# Altium PCB proyecto final.PcbDoc
Units mm, origin at the board's own origin, x right, y up, seen from the top; angles counter-clockwise.
Board outline 152.4 x 101.6 mm, 2 copper layers (Top Layer, Bottom Layer); 92 components, 65 nets, 338 pads, 18 vias.
Unrouted connection lines stored in the file: 78.
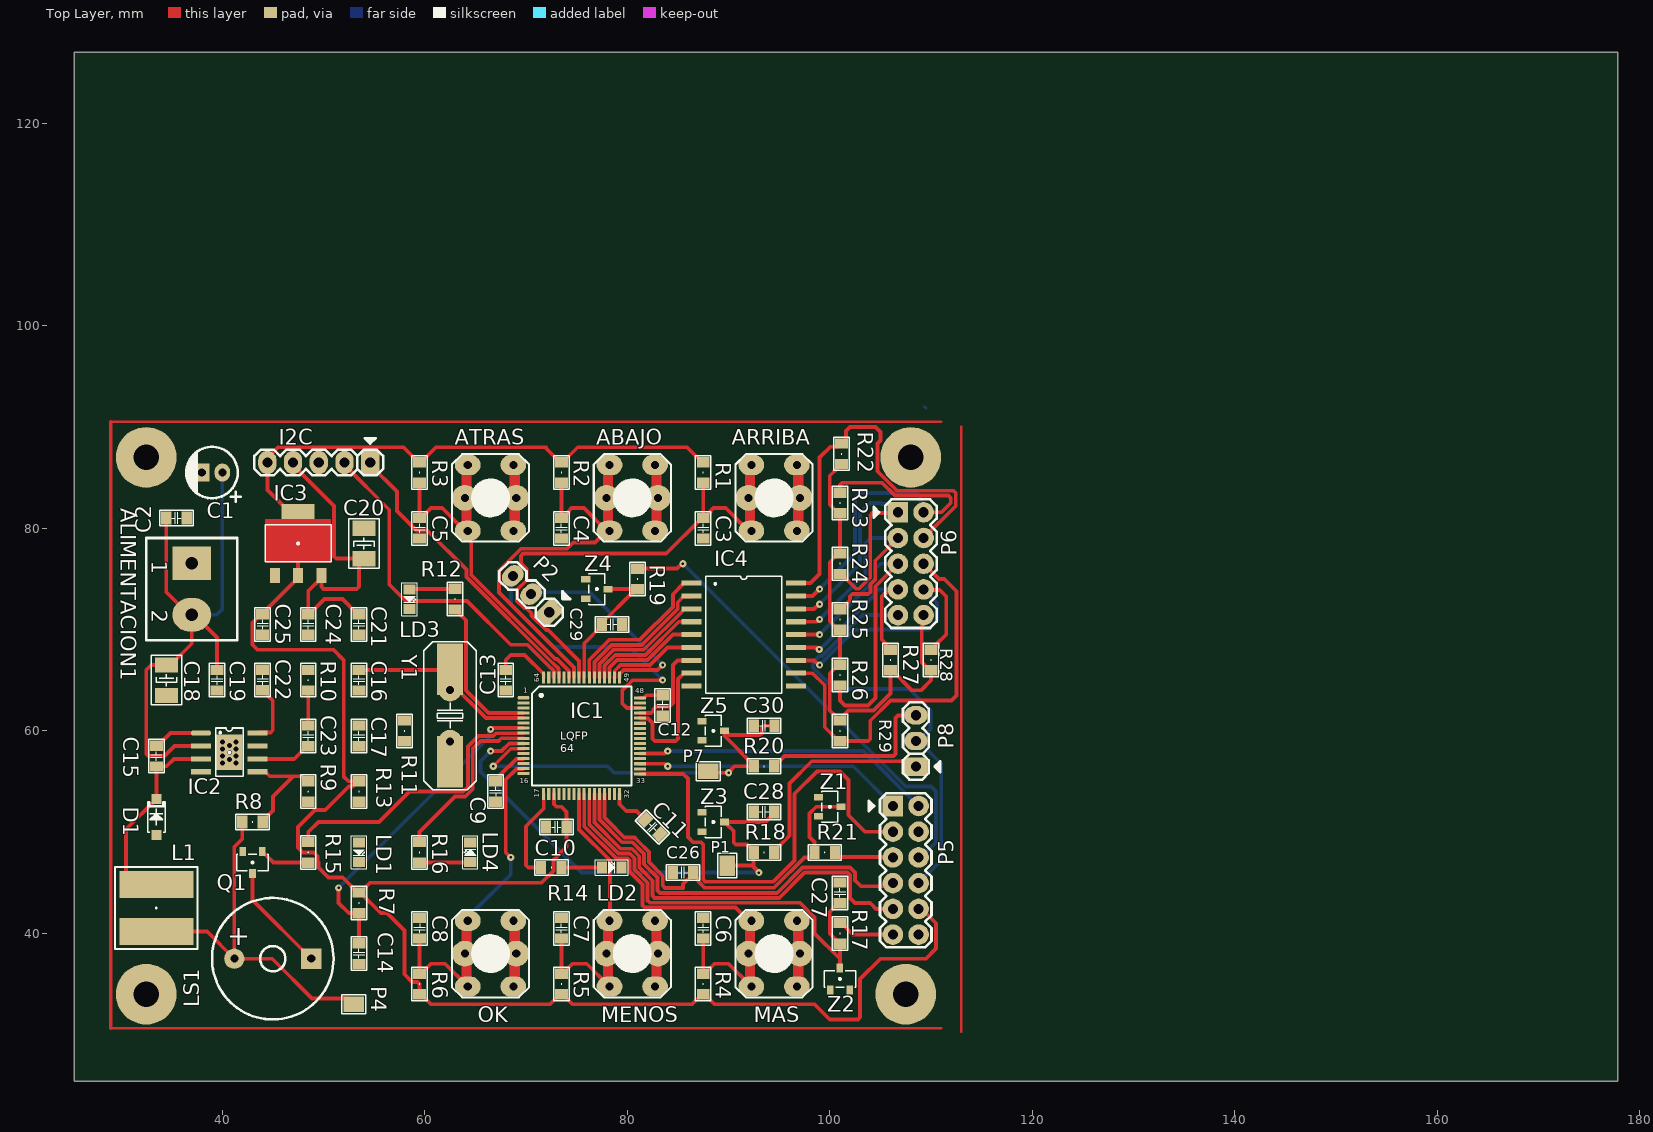
[diagram p0: Top Layer view]
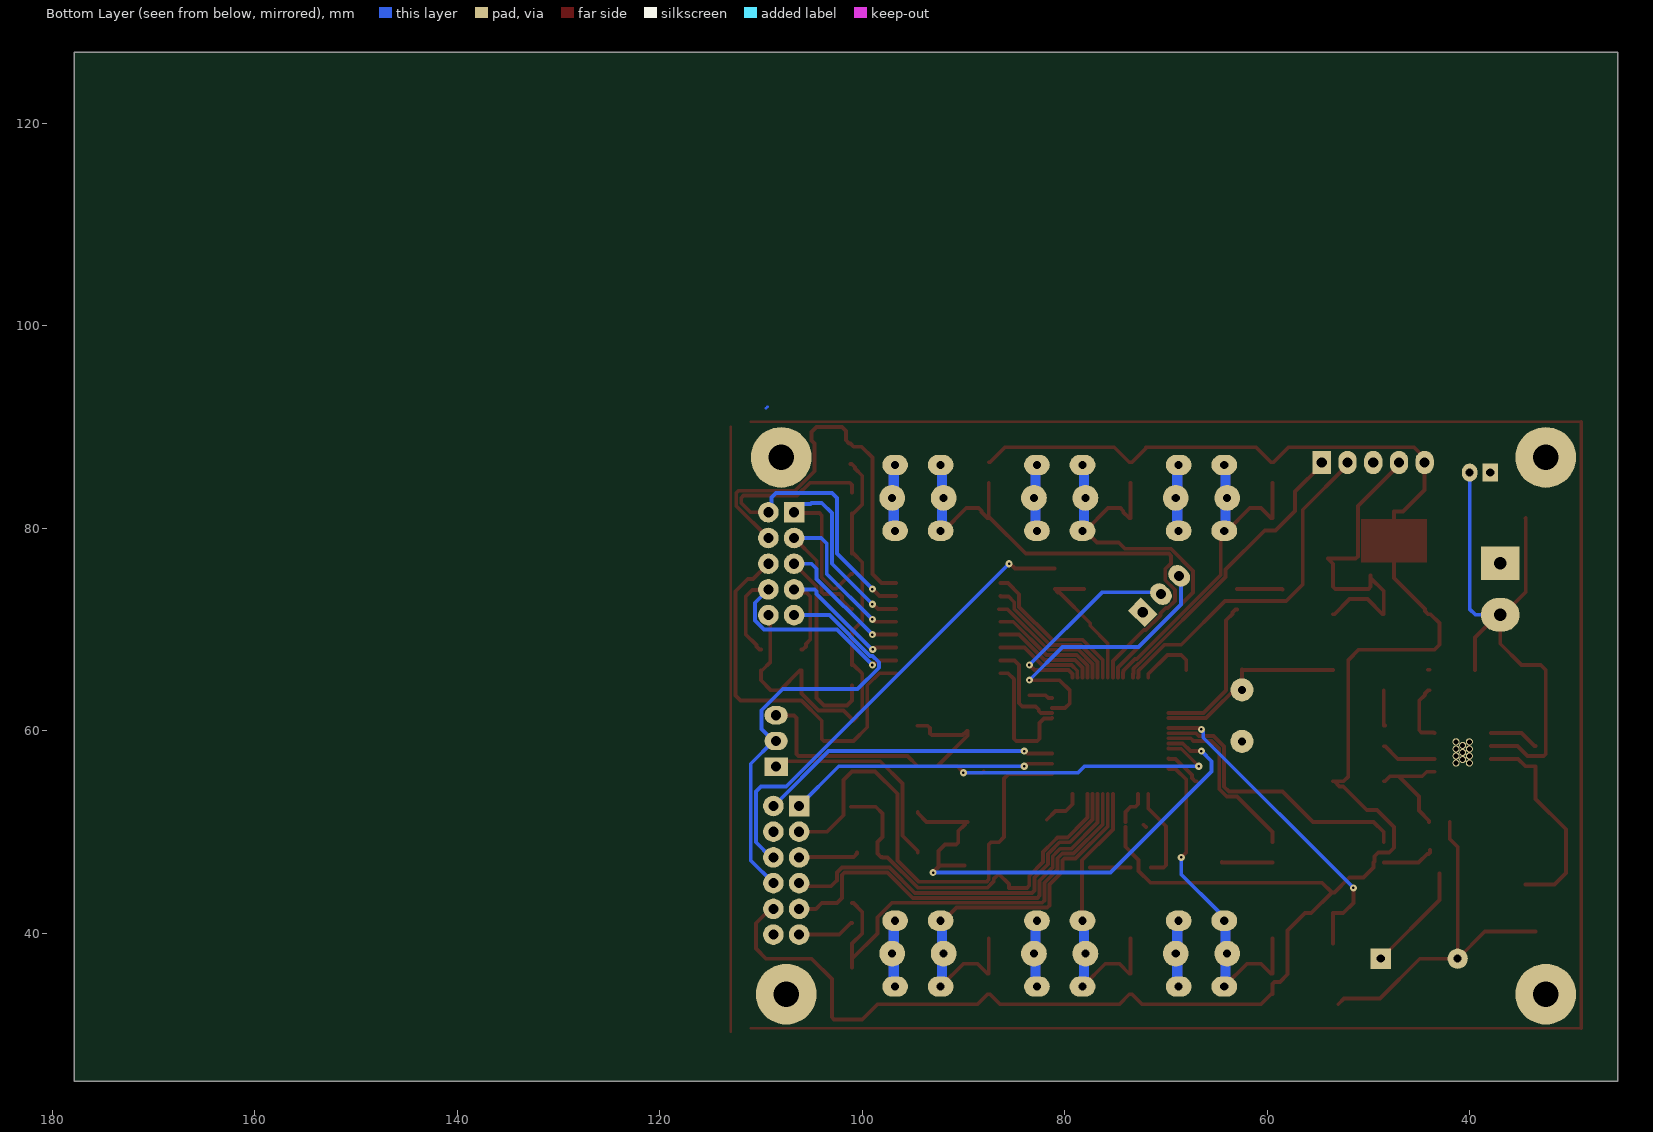
[diagram p1: Bottom Layer view, seen from below]

## Layer stack, top to bottom
Top Solder: solder mask 0.0102, Solder Resist, Dk 3.5
Top Layer: signal copper 0.0356
Dielectric 1: dielectric 0.32, FR-4, Dk 4.8
Bottom Layer: signal copper 0.0356
Bottom Solder: solder mask 0.0102, Solder Resist, Dk 3.5

## Board outline
25.4,25.4 177.8,25.4 177.8,127 25.4,127

## Design rules (kind name [scope] priority, off if disabled: settings)
Clearance [All] p1: gap=0.102 ignorepadtopadclearanceinfootprint=FALSE
PolygonConnect [All] p1: connectstyle=Relief reliefconductorwidth=0.254 reliefentries=4 polygonreliefangle="90 Angle" airgapwidth=0.254
RoomDefinition "proyecto final" [InComponentClass('proyecto final')] p1: confinementstyle=ConfineIn formatcopy=TRUE lockcomponents=FALSE outline 178.943,26.924 262.509,26.924 262.509,42.672 178.943,42.672
RoutingVias [All] p1: holewidth=0.711 width=1.27 viastyle="Through Hole" minholewidth=0.711 minwidth=1.27 maxholewidth=0.711 maxwidth=1.27
SolderMaskExpansion [All] p1: expansion=0.102 istentingtop=FALSE
Width [All] p1: maxlimit=0.381 minlimit=0.254 preferedwidth=0.381 minimp=50.000000 maximp=50.000000 favimp=50.000000
30 further rules are at their usual default settings.

## Components (designator, comment, footprint, x,y, rotation, side; value= is the part's Value field where it differs from the comment)
ABAJO "Switch PCB" "TAC SWITCH 6X6 (5MM)"#1 80.5,83 r0 top
ALIMENTACION1 "Conector 2 Vias" "CON 2" 37,74 r270 top
ARRIBA "Switch PCB" "TAC SWITCH 6X6 (5MM)"#2 94.5,83 r0 top
ATRAS "Switch PCB" "TAC SWITCH 6X6 (5MM)"#3 66.5,83 r0 top
C1 "47uF x6.3v" "CAP Pitch 80 - 5x11" 39,85.5 r180 top
C2 "100 nF" C-0805 35.5,81 r180 top
C3 "100 nF" C-0805 87.5,80 r90 top
C4 "100 nF" C-0805 73.5,80 r90 top
C5 "100 nF" C-0805 59.5,80 r90 top
C6 "100 nF" C-0805 87.5,40.5 r270 top
C7 "100 nF" C-0805 73.5,40.5 r270 top
C8 "100 nF" C-0805 59.5,40.5 r270 top
C9 "100 nF" C-0805 67,54 r90 top
C10 "100 nF" C-0805 73,50.5 r0 top
C11 "100 nF" C-0805 82.5,50.5 r135 top
C12 "100 nF" C-0805 83.5,62.5 r90 top
C13 "100 nF" C-0805 68,65 r90 top
C14 "100 nF" C-0805 53.5,38 r90 top
C15 "10nF" C-0805 33.5,57.5 r270 top
C16 "30 pF" C-0805 53.5,65 r270 top
C17 "30 pF" C-0805 53.5,59.5 r270 top
C18 "100uF x 25v" C-CASE-B 34.5,65 r90 top
C19 "100nF" C-0805 39.5,65 r90 top
C20 "100uF x 6.3v" C-CASE-B 54,78.5 r270 top
C21 "100nF" C-0805 53.5,70.5 r90 top
C22 "100nF" C-0805 44,65.016 r270 top
C23 "10nF" C-0805 48.5,59.5 r270 top
C24 "100 uF" C-0805 48.5,70.5 r270 top
C25 "10 uF" C-0805 44,70.5 r270 top
C26 "100 nF" C-0805 85.5,46 r0 top
C27 "100 nF" C-0805 101,44 r270 top
C28 "100 nF" C-0805 93.5,52 r0 top
C29 "100 nF" C-0805 78.5,70.5 r180 top
C30 "100 nF" C-0805 93.516,60.5 r0 top
D1 "SS34FA" SOD-123 33.5,51.5 r270 top
I2C "Conector 5 Vias" HEADER-V-5 54.62,86.5 r180 top
IC1 "STM32F103RCT6" LQFP-64 75.5,59.5 r0 top
IC2 "MP1593" SOIC-8E 40.706,57.865 r90 top
IC3 "LM1117MPX-" "SOT-223 TERMICO" 47.5,78.5 r0 top
IC4 "ULN2803" SOIC-18 91.5,69.5 r90 top
L1 "Inductor" "INDUCTOR CDRH6D28NP-100NC" 33.5,42.5 r270 top value=100mH
LD1 "LED" LD-0805-AZUL 53.5,48 r90 top
LD2 "LED" LD-0805-AZUL 78.465,46.5 r180 top
LD3 "LED" LD-0805-AZUL 58.5,73 r90 top
LD4 "LED" LD-0805-AZUL 64.5,48 r270 top
LS1 "Buzzer" BUZZER 45,37.5 r0 top
MAS "Switch PCB" "TAC SWITCH 6X6 (5MM)"#2 94.5,38 r0 top
MENOS "Switch PCB" "TAC SWITCH 6X6 (5MM)"#2 80.5,38 r0 top
OK "Switch PCB" "TAC SWITCH 6X6 (5MM)"#2 66.5,38 r0 top
P1 "Conector 1 Via" "PAD 1.5x2.5mm" 89.876,46.689 r0 top
P2 "Conector 3 Vias" HEADER-V-3 72.296,71.704 r135 top
P4 "Conector 1 Via" "PAD 1.5x2.5mm" 53,33 r270 top
P5 "Header 5X2" "HEADER 6x2" 107.5,47.5 r270 top
P6 "Header 5X2" "HEADER 5x2" 108,76.5 r270 top
P7 "Conector 1 Via" "PAD 1.5x2.5mm" 88,56 r90 top
P8 "Conector 3 Vias" HEADER-V-3 108.5,56.46 r90 top
Q1 "BC817" SOT-23 43,47 r90 top
R1 "10K" R-0805 87.5,85.5 r90 top
R2 "10K" R-0805 73.5,85.5 r90 top
R3 "10K" R-0805 59.5,85.5 r90 top
R4 "10K" R-0805 87.5,35 r270 top
R5 "10K" R-0805 73.5,35 r270 top
R6 "10K" R-0805 59.5,35 r270 top
R7 "10k" R-0805 53.5,43.016 r90 top
R8 "47k" R-0805 43,51 r180 top
R9 "15k" R-0805 48.5,54 r90 top
R10 "6.8k" R-0805 48.5,65 r270 top
R11 "22K" R-0805 58,60 r90 top
R12 "220" R-0805 63,73 r90 top
R13 "220" R-0805 53.5,54 r90 top
R14 "220" R-0805 72.5,46.5 r0 top
R15 "3.3K" R-0805 48.5,48 r270 top
R16 "220" R-0805 59.5,48 r270 top
R17 "Resistencia" R-0805 101,40 r270 top
R18 "Resistencia" R-0805 93.5,48 r180 top
R19 "Resistencia" R-0805 81,75 r270 top
R20 "Resistencia" R-0805 93.5,56.5 r180 top
R21 "Resistencia" R-0805 99.5,48 r180 top
R22 "10K" R-0805 101.159,87.357 r270 top
R23 "10K" R-0805 101,82.5 r270 top
R24 "10K" R-0805 101,76.5 r90 top
R25 "10K" R-0805 101,71 r270 top
R26 "10K" R-0805 101,65.5 r90 top
R27 "10K" R-0805 106,67 r270 top
R28 "10K" R-0805 110,67 r270 top
R29 "10K" R-0805 101,60 r90 top
Y1 "XTAL" "CRISTAL COMBINADO" 62.5,61.5 r90 top
Z1 "Zener" SOT-23 100,52.5 r180 top
Z2 "Zener" SOT-23 101,35.5 r270 top
Z3 "Zener" SOT-23 88.5,51 r180 top
Z4 "Zener" SOT-23 77,74 r180 top
Z5 "Zener" SOT-23 88.5,60 r180 top

## Footprints (in the part's own frame and the unit in brackets; to place one, negate y for a bottom-side part, rotate by r counter-clockwise, add the part's x,y. Pads: shape width x height; smd on the part's side, far side on the other; paste and mask are expansions set on the pad)
BUZZER [mm]
  round 2 hole 0.8: 1(-3.8,0)
  rect 2x2 hole 0.8: 2(3.8,0)
  silkscreen extent -6,-6 6,6, body extent -6,-5.99 6,5.99, height 7.51
C-0805 [mil]
  rect 40x50 smd: 1(-40,0) 2(40,0)
  silkscreen extent -65,-30 65,30, body extent -39,-25 39,25, height 31
C-CASE-B [mm]
  rect 1.5x2.3 smd: 1(1.5,0) 2(-1.5,0)
  silkscreen extent -2.44,-1.5 2.44,1.5, body extent -2.5,-1.5 2.5,1.5, height 2.11
"CAP Pitch 80 - 5x11" [mil]
  oval 60x70 hole 31.5: 1(-40,0)
  rect 60x70 hole 31.5: 2(40,0)
  silkscreen extent -112,-100 100,114, body extent -97,-98 99,99, height 438
"CON 2" [mm]
  rect 3.302x3.81 hole 1.25: 1(-2.54,0)
  oval 3.302x3.81 hole 1.25: 2(2.54,0)
  silkscreen extent -5.04,-4.5 5.04,4.5, body extent -5.05,-4.5 4.95,4.5, height 15.33
"CRISTAL COMBINADO" [mil]
  rect 200x100 smd: 1(-180,0) 2(180,0)
  round 90 hole 31.5: 1(-100,0) 2(100,0)
  silkscreen extent -288,-102 288,102, body extent -252,-98 252,98, height 178
"HEADER 5x2" [mil]
  rect 80x80 hole 39.37: 1(-200,-50)
  round 80 hole 39.37: 2(-200,50) 3(-100,-50) 4(-100,50) 5(0,-50) 6(0,50) 7(100,-50) 8(100,50) 9(200,-50) 10(200,50)
  silkscreen extent -250,-144 250,100, body extent -250,-99 250,99, height 346
"HEADER 6x2" [mil]
  rect 80x80 hole 39.37: 1(-200,-50)
  round 80 hole 39.37: 2(-200,50) 3(-100,-50) 4(-100,50) 5(0,-50) 6(0,50) 7(100,-50) 8(100,50) 9(200,-50) 10(200,50) 11(300,-50) 12(300,50)
  silkscreen extent -250,-144 350,100, body extent -250,-99 350,99, height 346
HEADER-V-3 [mm]
  rect 1.8x2.3 hole 1: 1(0,0)
  oval 1.8x2.3 hole 1: 2(2.54,0) 3(5.08,0)
  silkscreen extent -1.27,-2.39 6.35,1.27, body extent -1.27,-1.24 6.35,1.24, height 8.79
HEADER-V-5 [mm]
  rect 1.8x2.3 hole 1: 1(0,0)
  oval 1.8x2.3 hole 1: 2(2.54,0) 3(5.08,0) 4(7.62,0) 5(10.16,0)
  silkscreen extent -1.27,-2.39 11.43,1.27, body extent -1.27,-1.24 11.43,1.24, height 8.79
"INDUCTOR CDRH6D28NP-100NC" [mm] "Fixed Inductors 10uH 1.7A"
  rect 2.65x7.3 smd: 1(-2.325,0) 2(2.325,0)
  silkscreen extent -4.06,-4.06 4.06,4.06, body extent -3.4,-3.3 3.3,3.4, height 2.9
LD-0805-AZUL [mm]
  rect 1x1.2 smd: 1(0.965,0) 2(-0.965,0)
  silkscreen extent -1.63,-0.76 1.63,0.76, body extent -1.01,-0.62 1.01,0.63, height 1.1
LQFP-64 [mm]
  oct 1.2x0.3 smd paste-0.03 mask+0.05: 1(-5.75,3.765)
  rect 1.2x0.3 smd paste-0.03 mask+0.05: 2(-5.75,3.265) 3(-5.75,2.765) 4(-5.75,2.265) 5(-5.75,1.765) 6(-5.75,1.265) 7(-5.75,0.765) 8(-5.75,0.265) 9(-5.75,-0.235) 10(-5.75,-0.735) 11(-5.75,-1.235) 12(-5.75,-1.735) 13(-5.75,-2.235) 14(-5.75,-2.735) 15(-5.75,-3.235) 16(-5.75,-3.735) 33(5.75,-3.75) 34(5.75,-3.25) 35(5.75,-2.75) 36(5.75,-2.25) 37(5.75,-1.75) 38(5.75,-1.25) 39(5.75,-0.75) 40(5.75,-0.25) 41(5.75,0.25) 42(5.75,0.75) 43(5.75,1.25) 44(5.75,1.75) 45(5.75,2.25) 46(5.75,2.75) 47(5.75,3.25) 48(5.75,3.75)
  rect 0.3x1.2 smd paste-0.03 mask+0.05: 17(-3.75,-5.75) 18(-3.25,-5.75) 19(-2.75,-5.75) 20(-2.25,-5.75) 21(-1.75,-5.75) 22(-1.25,-5.75) 23(-0.75,-5.75) 24(-0.25,-5.75) 25(0.25,-5.75) 26(0.75,-5.75) 27(1.25,-5.75) 28(1.75,-5.75) 29(2.25,-5.75) 30(2.75,-5.75) 31(3.25,-5.75) 32(3.75,-5.75) 49(3.75,5.75) 50(3.25,5.75) 51(2.75,5.75) 52(2.25,5.75) 53(1.75,5.75) 54(1.25,5.75) 55(0.75,5.75) 56(0.25,5.75) 57(-0.25,5.75) 58(-0.75,5.75) 59(-1.25,5.75) 60(-1.75,5.75) 61(-2.25,5.75) 62(-2.75,5.75) 63(-3.25,5.75) 64(-3.75,5.75)
  silkscreen extent -4.9,-4.9 4.9,4.9, body extent -6,-6 6,6, height 1.6
"PAD 1.5x2.5mm" [mm]
  rect 1.5x2 smd paste+0: 1(0,0)
  silkscreen extent -0.95,-1.2 0.95,1.2
R-0805 [mil]
  rect 40x50 smd: 1(-40,0) 2(40,0)
  silkscreen extent -65,-30 65,30, body extent -39,-25 39,25, height 24
SOD-123 [mm]
  rect 1x1 smd: 1(1.778,0) 2(-1.778,0)
  silkscreen extent -1.5,-0.86 1.5,0.86, body extent -1.93,-0.86 1.93,0.84, height 1.42
SOIC-8E [mm]
  oct 0.5x2 smd mask+0.025: 1(1.905,2.794)
  rect 0.5x2 smd mask+0.025: 2(0.635,2.794) 3(-0.635,2.794) 4(-1.905,2.794) 5(-1.905,-2.794) 6(-0.635,-2.794) 7(0.635,-2.794) 8(1.905,-2.794)
  round 0.7 hole 0.5: 9(-1.053,-0.655) 9(-1.053,0.655) 9(-0.702,0) 9(-0.351,-0.655) 9(-0.351,0.655) 9(0,0) 9(0.35,-0.655) 9(0.351,0.655) 9(0.702,0) 9(1.053,-0.655) 9(1.053,0.655)
  rect 3.505x2.616 smd mask+0.025: 9(0,0)
  silkscreen extent -2.36,-1.39 2.41,1.36, body extent -2.44,-3.01 2.46,2.99, height 1.75
SOIC-18 [mm]
  rect 0.5x2 smd mask+0.025: 1(5.08,5.159) 2(3.81,5.159) 3(2.54,5.159) 4(1.27,5.159) 5(0,5.159) 6(-1.27,5.159) 7(-2.54,5.159) 8(-3.81,5.159) 9(-5.08,5.159) 10(-5.08,-5.159) 11(-3.81,-5.159) 12(-2.54,-5.159) 13(-1.27,-5.159) 14(0,-5.159) 15(1.27,-5.159) 16(2.54,-5.159) 17(3.81,-5.159) 18(5.08,-5.159)
  silkscreen extent -5.79,-3.76 5.76,3.74, body extent -5.81,-5.16 5.76,5.14, height 2.65
SOT-23 [mm]
  rect 0.9x0.65 smd: 1(1.1,-0.95) 2(1.1,0.95) 3(-1.1,0)
  silkscreen extent -0.8,-1.53 0.8,1.54, body extent -1.31,-1.48 1.33,1.52, height 1.08
"SOT-223 TERMICO" [mm]
  rect 1x1.5 smd: 1(-2.3,-3.15) 2(0,-3.15) 3(2.3,-3.15)
  rect 3.3x1.5 smd: 2(-0.014,3.15)
  Top Layer region: -3.25,-1.875 3.25,-1.875 3.25,2.425 -3.25,2.425
  silkscreen extent -3.27,-1.8 3.29,1.83, body extent -3.25,-3.5 3.25,3.5, height 1.64
"TAC SWITCH 6X6 (5MM)"#1 [mm]
  round 2.54 hole 0.8: 1(-2.54,0) 2(2.54,0)
  oval 2.54x2 hole 0.8: 1(-2.25,-3.25) 1(-2.25,3.25) 2(2.25,-3.25) 2(2.25,3.25)
  Multi-Layer lines w1: -2.388,-3.429 -2.388,-3.25 ; -2.388,3.429 -2.388,3.25 ; 2.388,-3.429 2.388,-3.25 2.388,0 2.388,3.25 2.388,3.429 ; -2.388,-3.25 -2.388,-3.112 ; -2.388,-3.25 -2.388,-3.25 ; -2.388,-3.112 -2.388,0 -2.388,3.25 ; -2.388,-3.112 -2.388,-3.112 ; -2.388,3.25 -2.388,3.25
  silkscreen extent -3.81,-4.32 3.81,4.32, body extent -3,-3.87 3.03,3.87, height 5.52
"TAC SWITCH 6X6 (5MM)"#2 [mm]
  round 2.54 hole 0.8: 1(-2.54,0) 2(2.54,0)
  oval 2.54x2 hole 0.8: 1(-2.25,-3.25) 1(-2.25,3.25) 2(2.25,-3.25) 2(2.25,3.25)
  Multi-Layer lines w1: -2.388,-3.429 -2.388,-3.25 -2.388,-3.112 -2.388,0 -2.388,3.25 -2.388,3.429 ; 2.388,-3.429 2.388,-3.25 2.388,0 2.388,3.25 ; 2.388,3.429 2.388,3.25 ; 2.388,3.25 2.388,3.25
  silkscreen extent -3.81,-4.32 3.81,4.32, body extent -3,-3.87 3.03,3.87, height 5.52
"TAC SWITCH 6X6 (5MM)"#3 [mm]
  round 2.54 hole 0.8: 1(-2.54,0) 2(2.54,0)
  oval 2.54x2 hole 0.8: 1(-2.25,-3.25) 1(-2.25,3.25) 2(2.25,-3.25) 2(2.25,3.25)
  Multi-Layer lines w1: -2.388,-3.429 -2.388,-3.38 -2.388,-3.25 -2.388,0 -2.388,3.25 -2.388,3.429 ; 2.388,-3.429 2.388,-3.25 2.388,0 2.388,3.25 2.388,3.429
  silkscreen extent -3.81,-4.32 3.81,4.32, body extent -3,-3.87 3.03,3.87, height 5.52

## Part data
ALIMENTACION1: library part "Header 2", "Header, 2-Pin", LatestRevisionDate=17-Jul-2002, LatestRevisionNote="Re-released for DXP Platform.", Publisher="Altium Limited"
C1 C18 C20: library part "Capacitor Polarizado", "Capacitor Polarizado (Radial)", LatestRevisionDate=17-Jul-2002, LatestRevisionNote="Re-released for DXP Platform.", PackageReference=RB7.6-15, Published=8-Jun-2000, Publisher="Altium Limited"
C2 C3 C4 C5 C6 C7 C8 C9 C10 C11 C12 C13 C14 C15 C16 C17 C19 C21 C22 C23 C24 C25 C26 C27 C28 C29 C30: library part "Capacitor NP", "Capacitor No Polarizado (Axial)"
D1: library part "Diodo Schottky", "Diodo Schottky"
I2C: library part "Header 5", "Header, 5-Pin", LatestRevisionDate=17-Jul-2002, LatestRevisionNote="Re-released for DXP Platform.", Publisher="Altium Limited"
IC1: "CPU M3 72MHz / 256k Flash / 2 ADC / 2 I2C / 5 USART", Supplier Part Number 1=BC-5550H-01, Supplier 1=Avnet
IC2: "Step-Down Converter 3A, 28V, 385kHz"
IC4: "Eigth darlignton array", LatestRevisionDate=17-Jul-2002, LatestRevisionNote="Re-released for DXP Platform.", Publisher="Altium Limited"
LD1 LD2 LD3 LD4: "Diodo LED"
LS1: "Magnetic Transducer Buzzer", LatestRevisionDate=17-Jul-2002, LatestRevisionNote="Re-released for DXP Platform.", PackageReference=PIN2, Published=24-Mar-1999, Publisher="Altium Limited"
P1 P4 P7: library part "Header 1", "Header, 1-Pin"
P2 P8: library part "Header 3", "Header, 3-Pin", LatestRevisionDate=17-Jul-2002, LatestRevisionNote="Re-released for DXP Platform.", Publisher="Altium Limited"
P5: library part "Header 6X2", "Header, 5-Pin, Dual row", LatestRevisionDate=17-Jul-2002, LatestRevisionNote="Re-released for DXP Platform.", Publisher="Altium Limited"
P6: "Header, 5-Pin, Dual row", LatestRevisionDate=17-Jul-2002, LatestRevisionNote="Re-released for DXP Platform.", Publisher="Altium Limited"
Q1: "45 V, 500 mA NPN general-purpose transistors"
R1 R2 R3 R4 R5 R6 R7 R8 R9 R10 R11 R12 R13 R14 R15 R22 R23 R24 R25 R26 R27 R28 R29: library part Resistencia, "Resistencia"
R16: library part Resistencia
Y1: "Crystal Oscillator", LatestRevisionDate=17-Jul-2002, LatestRevisionNote="Re-released for DXP Platform.", PackageReference=R38, Published=8-Jun-2000, Publisher="Altium Limited"
Z1 Z2 Z3 Z4 Z5: library part "Diodo Zener SOT-23", "Zener Diode SOT-23"
ABAJO ARRIBA ATRAS MAS MENOS OK: LatestRevisionDate=17-Jul-2002, LatestRevisionNote="Re-released for DXP Platform.", PackageReference=SPST-2, Published=24-Mar-1999, Publisher="Altium Limited"
L1: Code_IEC=1005, Code_JEITA=0402, LatestRevisionDate=17-Jul-2002, LatestRevisionNote="Re-released for DXP Platform.", PackageReference=0402-A, Published=8-Jun-2000, Publisher="Altium Limited"

## Free pads (board coordinates)
  round 6 hole 2.5: 7(32.5,87) 8(32.5,34) 11(108,87) 12(107.5,34)

## Via types
v1: diameter 0.7, hole 0.25, Top Layer to Bottom Layer, 18 vias

## Nets (pads, with @x,y where several pads share a name; then routed paths per layer and width w, separated by ;. In a path a pad name is that pad's centre, name@x,y a point inside that pad or via, vN(x,y) a via of type N, cw(c..) or ccw(c..) an arc to the next point about the centre after c; other vN are vias at no path point)
+3.3V: C9.2 C10.2 C11.2 C12.2 C13.2 C25.1 I2C.5 IC1.13 IC1.19 IC1.32 IC1.48 IC1.64 IC3.2 P5.10 R1.2 R2.2 R3.2 R4.2 R5.2 R6.2 R7.2 R13.2 | length 231.7
  Top Layer w0.381: R13.2 R13.2@53.373,55.016 ; C9.2 67.127,55.016 67.445,55.334 67.445,55.622 69.046,57.224 69.709,57.224 IC1.13 ; C13.2 68,67 68.5,67.5 69.869,67.5 71.75,65.619 IC1.64 ; IC1.19 72.75,52.75 73,52.5 73.5,52.5 74.016,51.984 C10.2@74.016,51 ; C10.2 74.016,48.556 72.716,47.256 72.716,46.176 71.54,45 54.595,45 R7.2@53.627,44.032 ; IC1.32 79.25,52.75 79.904,52.096 80.904,52.096 C11.2 ; IC1.48 81.619,63.25 81.885,63.516 C12.2 ; R1.2 87.373,86.516 85.889,88 75.111,88 73.627,86.516 R2.2 73.373,86.516 72,87.889 72,88 61.111,88 59.627,86.516 R3.2 59.373,86.516 57.889,88 45.5,88 44.46,86.96 I2C.5 44.46,83.776 46.586,81.65 47.486,81.65 47.5,81.636 47.5,75.35 47.5,75.1 44.444,72.045 44.444,71.834 44.127,71.516 C25.1 43.873,71.516 43,70.643 43,68.5 43.5,68 51,68 52,67 52,55.5 52.484,55.016 R13.2@53.373,55.016 ; P5.10 109.08,42.42 110.5,41 110.5,38.5 109.5,37.5 105,37.5 103,35.5 103,31.723 102.777,31.5 100,31.5 98.5,33 88.611,33 87.627,33.984 R4.2 87.373,33.984 86.389,33 74.611,33 73.627,33.984 R5.2 73.373,33.984 72.389,33 60.611,33 59.627,33.984 R6.2 59.5,34.993 59.277,35.216 58.744,35.216 58,35.96 58,40.277 56.281,41.996 55.663,41.996 R7.2@53.627,44.032 ; R13.2@53.373,55.016 52.857,54.5 52.5,54.5 50.184,52.184 49.184,52.184 47.5,50.5 47.5,48.46 47.96,48 49.04,48 49.427,47.613 49.427,47.073 49.5,47 49.5,46.5 50.5,45.5 51.905,45.5 53.373,44.032 R7.2 R7.2@53.627,44.032
+5V: C20.1 C21.2 C24.1 I2C.4 IC3.3 IC4.10 L1.2 LS1.1 P4.1 P5.4 P6.10 R8.2 R22.2 R23.2 R24.2 R25.2 R26.2 R27.2 R28.2 R29.2 | length 117.7
  Top Layer w0.381: L1.2 38.525,40.175 LS1.1 ; R8.2 41.984,49.318 41.2,48.534 LS1.1 ; I2C.4 47,86.25 51.042,82.208 51.042,77.223 51.265,77 C20.1 53.5,76.5 53.5,74.223 53.277,74 50.023,74 49.8,74.223 IC3.3@49.8,75.1 ; IC3.3 IC3.3@49.8,75.1 ; P4.1 52.44,33.559 48.885,33.559 44.944,37.5 LS1.1 ; C21.2 53.373,71.516 51.889,73 50.111,73 48.627,71.516 C24.1 48.5,73.8 IC3.3@49.8,75.1 ; R29.2 R29.2@100.873,61.016 ; R22.2 101.032,86.341 100.714,86.024 100.714,85.897 100,85.182 100,82.357 100.873,81.484 R23.2 R24.2 100.873,77.516 100,76.643 100,70.857 100.873,69.984 R25.2 R26.2 100.873,66.516 100,65.643 100,62.016 100.556,61.46 100.556,61.333 R29.2@100.873,61.016 ; P6.10 109.073,71.223 109.073,66.784 109.873,65.984 R28.2 110,65 109,64 108.111,64 106.127,65.984 R27.2 106,63.682 104.318,62 101.857,62 R29.2@100.873,61.016
+14V: ALIMENTACION1.2 C1.1 C2.2 C18.1 C19.2 IC2.2 | length 56.9
  Top Layer w0.381: C2.2@34.5,80.984 C2.2 34.484,73.722 36.746,71.46 ALIMENTACION1.2 ; IC2.2 35.301,58.5 34.301,57.5 32.723,57.5 32.5,57.723 32.5,66 33,66.5 C18.1 34.9,66.5 37,68.6 ALIMENTACION1.2 ; C19.2 39.5,69.214 37.254,71.46 ALIMENTACION1.2 ; C1.1@40.016,85.373 C1.1
  Bottom Layer w0.381: ALIMENTACION1.2 39.46,71.46 40.016,72.016 C1.1 C1.1@40,85.484
Culer: IC4.13 P6.7 R27.1 | length 20.4
  Top Layer w0.381: IC4.13 98.684,68.23 98.868,68.045 v1(98.955,68.045) ; R27.1 105.873,68.016 105.555,68.334 105.555,68.588 105.127,69.016 105.127,73.277 105.494,73.644 106.414,73.644 P6.7
  Bottom Layer w0.381: v1(98.955,68.045) 99.045,68.045 104.5,73.5 104.5,73.777 104.696,73.973 106.717,73.973 P6.7
D1: IC1.55 IC4.1 | length 15.7
  Top Layer w0.381: IC1.55 76.25,66.98 78.27,69 81.27,69 84.5,72.23 84.5,73.49 85.59,74.58 IC4.1
D2: IC1.54 IC4.2 | length 14.2
  Top Layer w0.381: IC1.54 76.75,66.797 78.435,68.483 81.435,68.483 84.983,72.03 84.983,72.702 85.531,73.251 86.281,73.251 IC4.2
D3: IC1.53 IC4.3 | length 12.8
  Top Layer w0.381: IC1.53 77.25,66.615 78.635,68 81.635,68 85.635,72 IC4.3@86.5,72
D4: IC1.52 IC4.4 | length 11.6
  Top Layer w0.381: IC1.52 77.75,66.432 78.818,67.5 81.818,67.5 85.088,70.77 IC4.4
D5: IC1.51 IC4.5 | length 10.4
  Top Layer w0.381: IC1.51 78.25,66.25 79,67 82,67 84.5,69.5 IC4.5
D6: IC1.50 IC4.6 | length 9.2
  Top Layer w0.381: IC1.50 78.767,65.267 78.767,65.93 79.337,66.5 82.23,66.5 83.96,68.23 IC4.6
D7: IC1.45 IC4.7 | length 9.5
  Top Layer w0.381: IC1.45 82.35,61.75 82.573,61.973 82.573,62.113 82.878,62.418 84.195,62.418 84.5,62.723 84.5,66.5 84.96,66.96 IC4.7
D8: IC1.44 IC4.8 | length 13.1
  Top Layer w0.381: IC1.44 81.291,61.209 82.067,61.209 82.5,60.777 82.5,59.223 82.723,59 84.777,59 85,59.223 85,65.099 85.59,65.69 IC4.8
EntradaCorriente: P8.3 R20.1 | length 18.2
  Top Layer w0.381: R20.1 95.516,57.5 106.277,57.5 106.5,57.723 106.5,61.277 106.723,61.5 107,61.5 107.002,61.502 108.462,61.502 P8.3
EntradaTemp: P8.1 R18.1 | length 21
  Top Layer w0.381: R18.1 94.516,48.127 96.028,49.639 96.028,54.805 98.223,57 107.96,57 P8.1
GND: ABAJO.2 ALIMENTACION1.1 ARRIBA.2 ATRAS.2 C1.2 C2.1 C3.1 C4.1 C5.1 C6.1 C7.1 C8.1 C9.1 C10.1 C11.1 C12.1 C13.1 C14.1 C16.2 C17.2 C18.2 C19.1 C20.2 C21.1 C22.1 C24.2 C25.2 C26.1 C27.1 C28.1 C29.1 C30.1 D1.1 I2C.3 IC1.12 IC1.18 IC1.31 IC1.47 IC1.60 IC1.63 IC2.4 IC3.1 IC4.9 LD1.2 LD2.2 LD3.2 LD4.2 MAS.2 MENOS.2 OK.2 P2.1 P5.8 P6.9 P8.2 Q1.2 R9.1 R10.1 Z1.1 Z2.1 Z3.1 Z4.1 Z5.1 | length 44.3
  Top Layer w0.381: C22.1 C22.1@44.127,66.032 ; C10.1 C10.1@72.209,50.726
  Bottom Layer w0.381: P6.9 103.238,71.42 99.221,67.403 98.995,67.403 98.358,66.766 98.358,66.234 100.458,64.134 107.842,64.134 109.942,62.034 109.942,60.192 P8.2@108.75,59 ; P8.2 P8.2@108.75,59 ; P5.8 111,47.19 111,56.75 P8.2@108.75,59
Hf: IC4.15 P6.3 R25.1 | length 25.6
  Top Layer w0.381: IC4.15 98.684,70.77 98.914,71 v1(99,71) ; R25.1 101.127,72.016 102,72.889 102,73.277 102.223,73.5 103.794,73.5 104.017,73.723 104.017,74.47 104.483,74.935 104.483,76.793 P6.3
  Bottom Layer w0.381: v1(99,71) 103.5,75.5 103.5,78.5 104.04,79.04 P6.3
Ho1: IC4.18 P6.4 R22.1 | length 40.6
  Top Layer w0.381: IC4.18 98.08,74.58 99,75.5 99,87 100.056,88.056 100.841,88.056 R22.1 101.286,88.373 101.603,88.691 101.603,89.603 102,90 104.5,90 105,89.5 105,88.656 104.708,88.364 104.708,85.636 106.636,83.708 112.208,83.708 112.431,83.485 112.431,82.201 P6.4
Ho2: IC4.14 P6.5 R26.1 | length 33.2
  Top Layer w0.381: IC4.14 v1(99,69.5) ; R26.1 101,63 101.5,62.5 103.777,62.5 104.5,63.223 104.5,74.27 P6.5
  Bottom Layer w0.381: v1(99,69.5) 104.5,75 104.5,76 105,76.5 P6.5
Ho3: IC4.16 P6.1 R24.1 | length 30.8
  Top Layer w0.381: IC4.16 98.454,72.04 98.914,72.5 v1(99,72.5) ; R24.1 101.127,75.484 102.58,74.031 102.896,74.031 104,75.135 104,81.277 104.223,81.5 106.65,81.5 P6.1
  Bottom Layer w0.381: v1(99,72.5) 103,76.5 103,81.5 104,82.5 105,82.5 105.095,82.405 105.904,82.405 P6.1
i2C_SCL: I2C.1 IC1.61 | length 29.6
  Top Layer w0.381: I2C.1 54.62,86.25 57.253,83.617 57.253,81.707 59.176,79.784 60.256,79.784 64.116,75.924 64.116,75.202 72.693,66.625 72.721,66.625 73.21,66.136 73.21,65.659 73.25,65.619 IC1.61
i2C_SDA: I2C.2 IC1.62 | length 34.3
  Top Layer w0.381: I2C.2 52.08,86.25 56.5,81.83 56.5,74.452 58.125,72.827 64.173,72.827 68.5,68.5 70.135,68.5 72.493,66.142 72.521,66.142 72.71,65.954 72.71,65.29 IC1.62
"I/O 1": IC4.11 P6.6 R29.1 | length 38.6
  Top Layer w0.381: IC4.11 98.31,65.69 99.5,64.5 99.5,60.357 100.873,58.984 R29.1 103.777,58.984 104,59.207 104,61 106,63 112,63 112.5,63.5 112.5,73.777 111.296,74.98 110.79,74.98 P6.6
"I/O 2": IC1.35 P5.1 | length 26.7
  Top Layer w0.381: IC1.35 83.664,56.75 83.914,56.5 v1(84,56.5)
  Bottom Layer w0.381: v1(84,56.5) 102.31,56.5 P5.1
"I/O 3": IC1.33 P5.3 | length 47.7
  Top Layer w0.381: IC1.33 85.527,55.75 86,55.277 86,49.5 86.5,49 87.277,49 87.5,48.777 87.5,45.314 87.723,45.091 94.409,45.091 96.511,47.193 96.511,53.788 98.723,56 101,56 101.842,55.158 101.842,51.658 103.46,50.04 P5.3
"I/O 4": P5.5 R21.1 | length 6
  Top Layer w0.381: R21.1 100.516,47.873 100.833,47.556 106.174,47.556 P5.5
"I/O 5": IC1.28 P5.7 | length 38.2
  Top Layer w0.381: IC1.28 77.25,51.25 79.5,49 80.5,49 81.5,48 81.5,47.991 81.67,47.821 81.67,46.83 83,45.5 83,44.223 83.223,44 94.818,44 97.318,46.5 102,46.5 102.5,46 102.5,45.223 102.612,45.112 102.723,45 103.064,44.659 105.929,44.659 P5.7
"I/O 6": IC1.27 P5.9 | length 40.7
  Top Layer w0.381: IC1.27 76.75,50.932 79.325,48.357 80.451,48.357 80.654,48.154 81.188,47.621 81.188,46.5 81.341,46.346 81.341,46.341 82.483,45.2 82.483,43.73 82.706,43.507 95.007,43.507 97.5,46 101.777,46 102,45.777 102,43.5 102.5,43 104,43 104.58,42.42 P5.9
"I/O 7": P5.6 R19.1 | length 46.4
  Top Layer w0.381: R19.1 84.93,76.016 85.414,76.5 v1(85.5,76.5)
  Bottom Layer w0.381: v1(85.5,76.5) 107.5,54.5 110,54.5 110.5,54 110.5,49 109,47.5 P5.6
"I/O 8": IC1.37 P5.2 | length 29.9
  Top Layer w0.381: IC1.37 83.664,57.75 83.914,58 v1(84,58)
  Bottom Layer w0.381: v1(84,58) 103.318,58 108.738,52.58 P5.2
Ib: IC1.8 R15.1 | length 28.6
  Top Layer w0.381: R15.1 48.5,50 49.5,51 55.5,51 58.5,54 63.795,54 64.267,54.472 64.267,58.45 65.3,59.483 66.751,59.483 67.034,59.765 IC1.8
"Input 1": C28.2 IC1.10 P1.1 R18.2 Z3.3 | length 53.3
  Top Layer w0.381: v1(66.5,58) 67.586,58 68.351,58.765 IC1.10 ; Z3.3 Z3.3@89.725,51 ; P1.1 92.311,46.689 v1(93,46) 93,46.086 92.484,46.602 R18.2 92.484,48.127 91.828,48.783 90.717,48.783 90.516,48.984 90.516,50.095 89.86,50.752 89.86,50.865 Z3.3@89.725,51 ; 90.611,51 Z3.3@89.725,51 ; 90.725,51 93.643,51 94.516,51.873 C28.2
  Bottom Layer w0.381: v1(66.5,58) 65.5,57 65.5,56 75.5,46 v1(93,46)
"Input 2": C27.2 IC1.26 R17.2 Z2.3 | length 43.1
  Top Layer w0.381: IC1.26 76.25,50.75 79.125,47.875 80.251,47.875 80.705,47.421 80.705,46.295 82,45 82,43.248 82.223,43.025 97.073,43.025 98.5,41.597 98.5,40 101,37.5 ; Z2.3 101,37.5 ; C27.2 100.873,42.984 100,42.111 100,39.984 R17.2 101,37.5
"Input 3": C29.2 IC1.56 R19.2 Z4.3 | length 13.9
  Top Layer w0.381: IC1.56 75.75,68.639 77.484,70.373 C29.2 77.484,70.627 80.523,73.666 80.667,73.666 80.992,73.992 78.108,73.992 Z4.3
"Input 4": C26.2 IC1.29 R21.2 Z1.3 | length 37.5
  Top Layer w0.381: IC1.29 77.75,51.432 78.091,51.091 79.7,49.483 80.7,49.483 81.091,49.091 82.153,48.03 82.153,47.03 83.5,45.682 83.5,44.723 83.741,44.483 85.5,44.483 85.5,44.857 86.516,45.873 87.017,45.372 87.017,45.115 87.632,44.5 94.5,44.5 97.5,47.5 97.984,47.5 98.039,47.556 98.166,47.556 98.484,47.873 R21.2 98.484,49.016 98,49.5 98,51.838 98.662,52.5 Z1.3
InputAdc1: P5.11 R17.1 | length 5.7
  Top Layer w0.381: R17.1 101.127,41.016 102.263,39.88 P5.11
Lo1: IC4.17 P6.2 R23.1 | length 37.5
  Top Layer w0.381: IC4.17 98.31,73.31 v1(99,74) ; R23.1 101,84.277 101.223,84.5 105.162,84.5 106.436,83.225 111.725,83.225 111.948,83.002 111.948,82.5 111.028,81.58 P6.2
  Bottom Layer w0.381: v1(99,74) 102.5,77.5 102.5,83 103,83.5 108.5,83.5 108.954,83.046 108.954,81.896 P6.2
Lo2: IC1.40 IC4.12 P6.8 R28.1 | length 28
  Top Layer w0.381: IC4.12 98.454,66.96 98.914,66.5 v1(99,66.5) ; P6.8 109.311,73.919 110.857,73.919 111.5,73.277 111.5,69.516 110.445,68.461 110.445,68.334 110.127,68.016 R28.1
  Bottom Layer w0.381: v1(99,66.5) 102.5,70 109.7,70 110.578,70.878 110.578,72.652 P6.8
NetC14_2: C14.2 IC1.7 R7.1 | length 32.1
  Top Layer w0.381: v1(51.5,44.5) 51.5,43 52.5,42 R7.1 C14.2 ; v1(66.5,60.14) 66.586,60.14 66.711,60.265 IC1.7
  Bottom Layer w0.381: v1(51.5,44.5) 66.322,59.322 66.322,59.876 66.5,60.054 v1(66.5,60.14)
NetC15_1: C15.1 IC2.1 | length 4.9
  Top Layer w0.381: C15.1 33.627,58.516 34.881,59.77 IC2.1
NetC15_2: C15.2 D1.2 IC2.3 L1.1 | length 21
  Top Layer w0.381: L1.1@34.5,44.825 L1.1 31.635,44.825 30.5,45.959 30.5,50.278 D1.2 C15.2 33.516,56.5 34.5,56.5 35.23,57.23 IC2.3
NetC16_1: C16.1 IC1.5 Y1.2 | length 19
  Top Layer w0.381: C16.1 62.444,66.016 62.5,66.072 62.5,64.802 66.037,61.265 IC1.5
NetC17_1: C17.1 R11.1 Y1.1
NetC22_2: C22.2 IC2.8 | length 6.1
  Top Layer w0.381: IC2.8 43.559,59.829 44.777,59.829 45,60.053 45,63 44.445,63.555 44.445,63.682 44.127,64 C22.2
NetC23_1: C23.1 R10.2 | length 3.6
  Top Layer w0.381: C23.1@48.373,60.516 C23.1 R10.2
NetC23_2: C23.2 IC2.6 | length 5.5
  Top Layer w0.381: IC2.6 47.119,57.23 48.373,58.484 C23.2
NetIC1_4: IC1.4 R12.1 | length 15.1
  Top Layer w0.381: R12.1 63.127,71.984 63.445,71.667 63.445,71.54 64.062,70.922 64.062,64 66.297,61.765 IC1.4
NetIC1_6: IC1.6 R11.2
NetIC1_9: IC1.9 R16.1 | length 17.4
  Top Layer w0.381: R16.1 59.5,50 63,53.5 64,53.5 64.75,54.25 64.75,58.25 65.5,59 67.288,59 67.553,59.265 IC1.9
NetIC1_17: IC1.17 R14.1 | length 9.3
  Top Layer w0.381: R14.1 70.223,46.5 70,46.723 70,50.572 71.75,52.322 IC1.17
NetIC2_5: IC2.5 R8.1 R9.2 | length 11.1
  Top Layer w0.381: IC2.5 44.25,55.96 44.694,55.516 47.001,55.516 47.873,55.516 48.373,55.016 R9.2 ; R8.1 44.016,51.127 45.026,52.137 45.026,53.526 45.657,54.157 47.001,55.501
NetLD1_1: LD1.1 R13.1
NetLD2_1: LD2.1 R14.2 | length 4
  Top Layer w0.381: R14.2 LD2.1
NetLD3_1: LD3.1 R12.2 | length 4.5
  Top Layer w0.381: LD3.1 58.551,74.016 R12.2
NetLD4_1: LD4.1 R16.2 | length 5
  Top Layer w0.381: R16.2 59.525,47.009 64.475,47.009 LD4.1
NetLS1_2: LS1.2 Q1.3 | length 10.8
  Top Layer w0.381: Q1.3 43,43.3 LS1.2
NetQ1_1: Q1.1 R15.2 | length 5.2
  Top Layer w0.381: Q1.1@43.95,48.225 Q1.1 43.95,47.975 44.084,47.84 44.21,47.84 45.066,46.984 R15.2
PBin_ABAJO: ABAJO.1 C4.2 IC1.58 R2.1 | length 35.4
  Top Layer w0.381: R2.1 C4.2 73.627,81.016 74.231,81.62 74.231,81.731 74.5,82 75.73,82 ABAJO.1@77.98,79.75 ; IC1.58 74.75,66.25 67.335,73.665 67.335,75.794 69.523,77.983 74.055,77.983 74.671,78.599 76.829,78.599 ABAJO.1@77.98,79.75 ; ABAJO.1@78.112,79.75 ABAJO.1@77.98,79.75
PBin_ARRIBA: ARRIBA.1 C3.2 IC1.57 R1.1 | length 44.5
  Top Layer w0.381: IC1.57 75.25,66.913 72.201,69.962 71.998,69.962 70.554,71.406 70.554,71.609 70.032,72.131 69.829,72.131 69.131,72.829 69.131,73.927 70.073,74.869 70.073,75.967 69.5,76.539 69.5,77.277 69.723,77.5 83.857,77.5 87.373,81.016 C3.2 ; R1.1 87.5,81.143 87.627,81.016 88.231,81.62 88.231,81.731 88.5,82 89.73,82 91.98,79.75 92.112,79.75 ARRIBA.1@92.25,79.75
PBin_ATRAS: ATRAS.1 C5.2 IC1.59 R3.1 | length 28.1
  Top Layer w0.381: R3.1 C5.2 59.627,81.016 60.611,82 61.73,82 ATRAS.1@63.98,79.75 ; ATRAS.1@64.25,79.75 64.242,79.75 64.112,79.62 64.598,79.134 64.598,75.402 72.893,67.107 73.056,67.107 74.192,65.971 74.192,65.846 74.25,65.788 IC1.59
PBin_MAS: C6.2 IC1.25 MAS.1 R4.1 | length 34.8
  Top Layer w0.381: IC1.25 75.75,50.568 78.925,47.392 80.051,47.392 80.223,47.221 80.223,46.095 81.5,44.818 81.5,42.765 81.723,42.542 90.688,42.542 91.98,41.25 MAS.1@92.112,41.25 ; C6.2 R4.1 87.627,36.016 88.611,37 90,37 92.112,34.888 MAS.1@92.25,34.75
PBin_MENOS: C7.2 IC1.24 MENOS.1 R5.1 | length 23.4
  Top Layer w0.381: C7.2 R5.1 73.627,36.016 74.611,37 76,37 78.112,34.888 MENOS.1@78.25,34.75 ; IC1.24 75.25,50.263 78.292,47.221 78.292,41.43 MENOS.1@78.112,41.25
PBin_OK: C8.2 IC1.15 OK.1 R6.1 | length 27.6
  Top Layer w0.381: C8.2 R6.1 59.627,36.016 60.611,37 62,37 64.112,34.888 OK.1@64.25,34.75 ; v1(68.5,47.5) 68,48 68,55.178 69.046,56.224 69.709,56.224 IC1.15
  Bottom Layer w0.381: OK.1@64.112,41.429 64.261,41.429 64.83,41.998 64.83,42.146 68.5,45.817 v1(68.5,47.5)
SWCLK: IC1.49 P2.2 | length 21
  Top Layer w0.381: IC1.49 79.25,65.619 79.631,66 83,66 v1(83.5,66.5)
  Bottom Layer w0.381: P2.2 70.677,73.677 76.323,73.677 v1(83.5,66.5)
SWDIO: IC1.46 P2.3 | length 28.6
  Top Layer w0.381: IC1.46 79.973,62.25 79.5,62.723 79.5,64 80.5,65 v1(83.5,65)
  Bottom Layer w0.381: P2.3 68.527,75.119 68.527,72.473 72.719,68.281 80.219,68.281 v1(83.5,65)
Vshunt: C30.2 IC1.11 P7.1 R20.2 Z5.3 | length 42.5
  Top Layer w0.381: v1(66.769,56.5) 68.493,58.224 69.709,58.224 IC1.11 ; P7.1 88.142,55.858 v1(90,55.858) ; v1@90,56 90.086,56 90.586,56.5 R20.2 92.484,56.627 89.6,59.511 Z5.3 89.663,60 90.09,59.573 93.129,59.573 93.3,59.744 93.3,60.277 93.523,60.5 C30.2
  Bottom Layer w0.381: v1(66.769,56.5) 78.033,56.5 78.675,55.858 v1(90,55.858)
pads on no net: IC1.1 IC1.2 IC1.3 IC1.14 IC1.16 IC1.20 IC1.21 IC1.22 IC1.23 IC1.30 IC1.34 IC1.36 IC1.38 IC1.39 IC1.41 IC1.42 IC1.43 IC2.7 IC2.9 P5.12 Z1.2 Z2.2 Z3.2 Z4.2 Z5.2
copper on no net: | length 283.8
  Top Layer w0.254: 29,30.649 111,30.649 ; 29,90.5 111,90.5 ; 113,30.298 113,90
  Top Layer w0.381: 29,30.649 29,90.5 ; 63,38.54 63.024,38.516
  Bottom Layer w0.254: 109.351,92 109.5,91.851

## Dimensions
29,90.5 to 111,90.5 on Top Overlay
29,90.5 to 29,30.649 on Top Overlay

## Text inside footprints (layer, text, board x,y; h text height)
ALIMENTACION1: Top Overlay "2" at 33.038,71.968 h1.52 r270; Top Overlay "1" at 33.038,76.794 h1.52 r270
IC1: Top Overlay "64" at 71.3,64.8 h0.5 r90; Top Overlay "49" at 80.2,64.8 h0.5 r90; Top Overlay "48" at 80.8,63.7 h0.5; Top Overlay "33" at 80.9,54.8 h0.5; Top Overlay "32" at 80.2,53.3 h0.5 r90; Top Overlay "17" at 71.3,53.4 h0.5 r90; Top Overlay "16" at 69.4,54.8 h0.5; Top Overlay "1" at 69.75,63.75 h0.5; Top Overlay "LQFP / 64" at 73.4,57.9 h0.8
LS1: Top Overlay "+" at 40.504,38.846 h2